# KiCad board kikit_panel.kicad_pcb (continued)
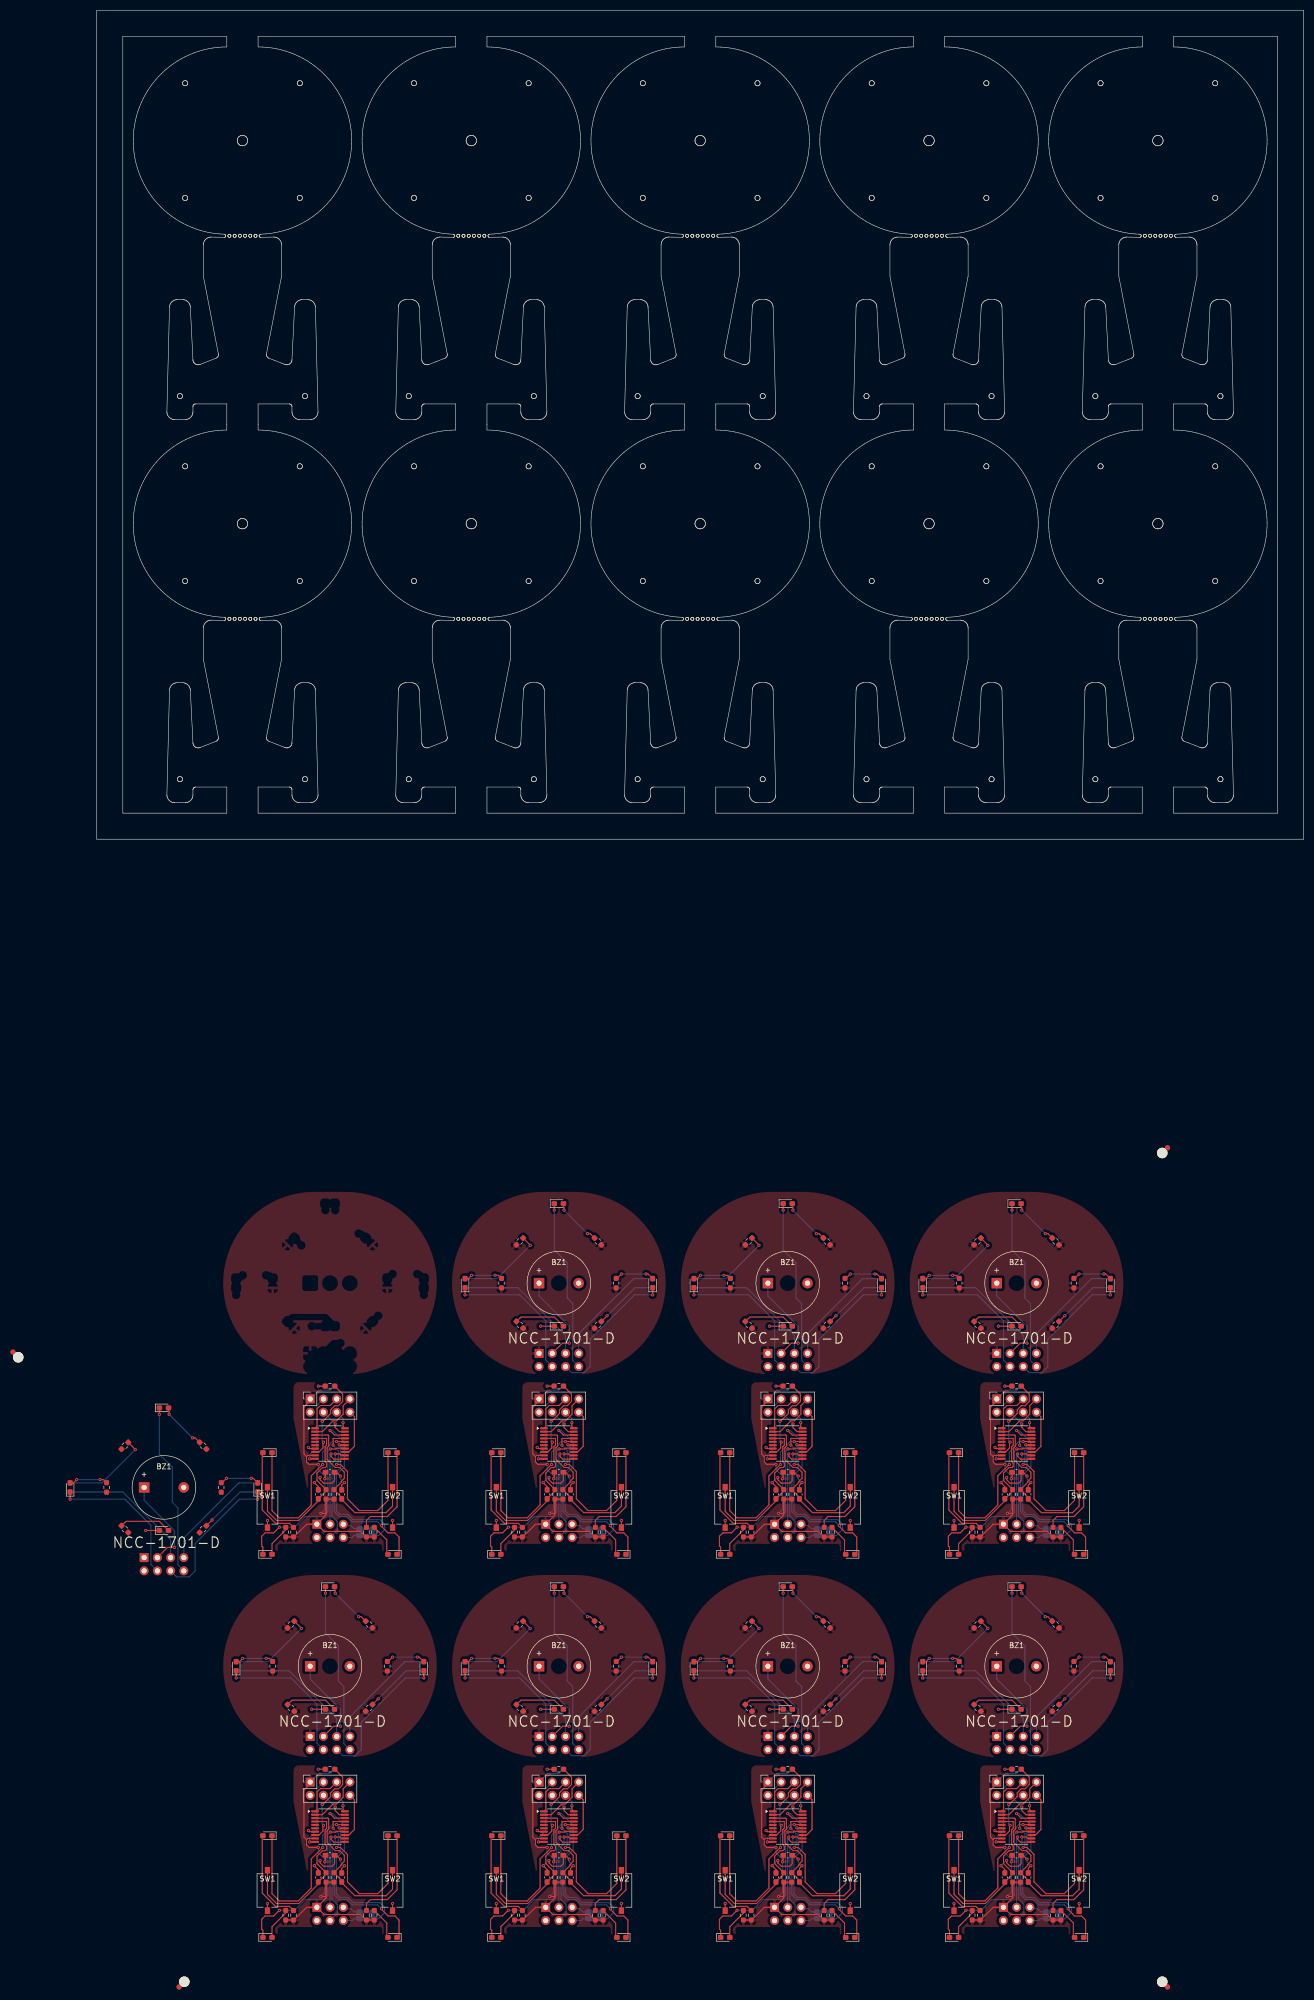
[diagram p0: board, top side]
## Routing (per net, layer and track width the routed paths; a pad name or vN(x,y) marks a point on that pad's centre or on a via; arc(x,y) is an arc through that point) (continued)
  Top w0.2: D7#2.2 57.63,-201.46 55.75,-203.34 52.5,-203.34 51.75,-204.09 R7#3.2
Board_4-Net-(D8-A): length 7.6
  Top w0.2: D8#6.2 27.38,-157.71 v1(28,-157.09) ; v1(32.5,-157.09) 33.17,-157.09 R10.2 33.72,-157.71
  Bottom w0.2: v1(28,-157.09) v1(32.5,-157.09)
Board_4-Net-(D9-A): length 7.8
  Top w0.2: v1(61.5,-156.84) 61.88,-156.84 D9#8.2 ; v1(56.75,-156.84) 55.92,-157.68 R11#4.2 55.79,-157.71
  Bottom w0.2: v1(56.75,-156.84) v1(61.5,-156.84)
Board_4-Net-(D10-A): length 17.1
  Top w0.2: v1(39.25,-151.34) 39.25,-151.3 R12#4.2
  Bottom w0.2: D10#8.2 32.88,-157.71 v1(39.25,-151.34)
Board_4-Net-(D11-A): length 12.5
  Top w0.2: R13#4.2 v1(54,-164.84)
  Bottom w0.2: v1(54,-164.84) 59.38,-159.46 D11#7.2
Board_4-Net-(JP1-B): length 37.2
  Top w0.2: v1(44.75,-186.84) 45.63,-187.71 U1#7.18 ; U1#7.18 46.88,-187.71 ; U1#7.18 48.35,-187.71
  Bottom w0.2: v1(44.75,-186.84) 45.25,-186.84 47.5,-189.09 47.5,-193.82 45.95,-195.37 45.95,-202.22 46.67,-202.94 48.17,-202.94 49.17,-203.94 54.35,-203.94 55.25,-204.84 55.25,-205.84 54.1,-206.99 JP1#8.2 53.95,-206.99
Board_4-Net-(U1-PD0): length 16.6
  Top w0.2: v1(43.5,-189.09) 43.4,-189.19 43.4,-190.19 42.63,-190.96 U1#7.8 ; R2.2 47.18,-179.86 47.18,-181.27 46.37,-182.09 45.66,-182.09 44.88,-182.86 44.88,-183.57 43.37,-185.09 v1(43.25,-185.09)
  Bottom w0.2: v1(43.25,-185.09) 43.25,-188.84 v1(43.5,-189.09)
Board_4-VCC: length 64.3
  Top w0.2: v1(43.75,-196.09) 43.75,-195.84 43.89,-195.7 C3#7.1 ; U1#7.9 40.48,-191.61 40.25,-191.84 ; 41.04,-180.8 40.5,-181.34 40.5,-181.59 39.75,-182.34 39.75,-191.34 40.25,-191.84 ; R9.1 44,-202.74 v1(43,-202.74) ; R9.1 45.75,-200 ; R9.1 44,-203.04 J5#4.1 ; J5#4.1 43.62,-206.2 50.62,-206.2 51.67,-207.25 R7#3.1 R3#2.1 ; J5#4.1 40.28,-204.81 37.84,-207.25 R6#2.1 R4#3.1 ; 40.25,-191.84 40.25,-192.84 40.75,-193.34 v1(42.5,-193.34)
  Bottom w0.2: v1(43,-202.74) 43.75,-201.99 v1(43.75,-196.09) 43.75,-195.59 42.5,-194.34 v1(42.5,-193.34) ; J4#7.1 42.64,-179.11 44.73,-179.11 45.5,-178.34 D2#7.2
Board_5-/blue gondeln left: length 33.4
  Top w0.2: D4#3.1 75.79,-209.21 75.56,-208.99 75.56,-207.12 76.21,-206.47 77.86,-206.47 v1(78.96,-205.38) ; v1(88.72,-190.39) 89.77,-190.39 89.92,-190.24 91.45,-190.24 U1#3.14
  Bottom w0.2: v1(88.72,-190.39) 88.27,-190.84 88.27,-202.49 87.42,-203.34 83.92,-203.34 81.87,-205.38 v1(78.96,-205.38)
Board_5-/blue gondeln right: length 32.6
  Top w0.2: v1(90.43,-189.58) 90.51,-189.66 U1#3.15 ; D3.1 101.92,-210.21 101.92,-207.27 101.12,-206.47 99.8,-206.47 98.57,-205.24 v1(98.57,-205.09)
  Bottom w0.2: v1(90.43,-189.58) 90.67,-189.82 90.67,-194 89.47,-195.2 89.47,-202.39 90.42,-203.34 91.92,-203.34 92.92,-204.34 97.82,-204.34 v1(98.57,-205.09)
Board_5-/blue_front: length 42.5
  Top w0.2: U1#3.13 92.27,-190.96 93.34,-189.89 93.34,-184.19 J4#8.8 ; D5#5.1 87.79,-144.71
  Bottom w0.2: v1(87.79,-144.59) 87.79,-152.21 90.27,-154.69 90.27,-161.44 91.34,-162.51 91.34,-173.44 J1#3.8
Board_5-/buzzer: length 31.6
  Top w0.2: v1(84.77,-192.27) 85.8,-192.27 U1#3.10 ; J1#3.3 89.37,-170.09 v1(90.67,-170.09)
  Bottom w0.2: J4#8.3 86.17,-182.04 86.17,-190.09 84.77,-191.49 v1(84.77,-192.27) ; BZ1.1 84.87,-161.04 90.67,-166.84 v1(90.67,-170.09)
Board_5-/GPIO1: length 5.3
  Bottom w0.2: JP1#6.1 J3#3.2 ; J5#8.5 91.5,-205.09 92.67,-205.09 93.27,-205.69 93.67,-205.69
Board_5-/GPIO2: length 3.1
  Top w0.2: 91.59,-206.99 J5#8.6
  Bottom w0.2: 93.67,-206.99 93.27,-206.99 92.9,-207.35 J5#8.6
Board_5-/LED dish bottom l: length 34.9
  Top w0.2: J4#8.5 88.7,-182.05 86.82,-182.05 86.17,-182.7 86.17,-186.05 U1#3.1
  Bottom w0.2: D10#4.1 80.79,-159.46 89.95,-168.62 J1#3.5
Board_5-/LED dish bottom r: length 32.6
  Top w0.2: J4#8.7 91.2,-182.09 91.2,-183.71 89.92,-184.99 89.27,-184.99 87.19,-187.06 U1#3.2
  Bottom w0.2: J1#3.7 92.49,-168.27 103.04,-157.71 D11#4.1
Board_5-/LED dish top left: length 34.3
  Top w0.2: D8#8.1 v1(70.67,-160.84) ; U1#3.19 90.47,-187.06 89.67,-186.26 v1(89.67,-185.59)
  Bottom w0.2: v1(89.67,-185.59) 87.42,-183.34 J4#8.4 ; J1#3.4 86.16,-173.34 86.16,-165.83 81.17,-160.84 v1(70.67,-160.84)
Board_5-/LED dish top right: length 32.1
  Top w0.2: v1(91.17,-185.34) 91.17,-186.05 U1#3.20 ; D9#4.1 v1(106.67,-160.84) ; 90.18,-183.85 90.18,-183.34
  Bottom w0.2: v1(91.17,-185.34) 91.17,-184.56 J4#8.6 ; J1#3.6 91.1,-175.74 93.52,-175.74 94.67,-174.59 94.67,-169.34 103.17,-160.84 v1(106.67,-160.84)
Board_5-/red_gondeln_left: length 36.5
  Top w0.2: v1(87.27,-193.35) 87.25,-193.35 85.07,-195.54 85.07,-201.12 82.6,-203.59 78.92,-203.59 77.54,-202.21 D6#6.1 ; U1#3.16 91.48,-188.96 v1(89.92,-188.96)
  Bottom w0.2: v1(89.92,-188.96) 89.11,-188.96 88.66,-189.41 88.66,-189.59 87.27,-190.99 v1(87.27,-193.35)
Board_5-/red_gondeln_right: length 35.9
  Top w0.2: v1(89.92,-193.34) 90.67,-193.34 92.02,-194.69 92.02,-199.94 94.28,-202.2 97.83,-202.2 99.79,-200.23 D7#8.1 ; v1(89.26,-189.66) 89.26,-188.36 U1#3.17 ; U1#3.17 92.27,-188.36 ; U1#3.17 90.79,-188.36
  Bottom w0.2: v1(89.26,-189.66) 90.27,-190.66 90.27,-192.99 v1(89.92,-193.34)
Board_5-/SCL: length 19.2
  Top w0.2: U1#3.12 90.79,-191.61 90.52,-191.34 v1(89.67,-191.34)
  Bottom w0.2: v1(89.67,-191.34) 89.67,-192.6 89.07,-193.2 89.07,-203.33 90.07,-204.34 90.07,-205.96 J5#8.4
Board_5-/SDA: length 17.6
  Top w0.2: v1(88.87,-191.34) 88.87,-191.79 89.41,-192.34 91.45,-192.34 U1#3.11
  Bottom w0.2: v1(88.87,-191.34) 88.67,-191.54 88.67,-204.8 J5#8.3 88.18,-204.32
Board_5-/sw1: length 33.5
  Top w0.2: SW1#3.1 76.67,-202.34 78.42,-204.09 82.67,-204.09 86.42,-200.34 C1#6.1 87.92,-198.45 R9#3.2 86.17,-196.43 86.17,-195 87.22,-193.95 87.8,-193.95 88.02,-193.74 88.02,-193.09 87.72,-192.79 87.72,-189.97 88.02,-189.67 88.02,-188.36 U1#3.4
Board_5-/sw2: length 33.3
  Top w0.2: U1#3.3 88.29,-187.71 88.42,-187.84 88.42,-189.84 88.12,-190.14 88.12,-192.39 89.67,-193.94 90.52,-193.94 91.42,-194.84 91.42,-195.99 90.82,-196.59 90.82,-196.78 R8#4.2 90.92,-199.68 C2#7.1 90.92,-200.09 93.43,-202.6 99.41,-202.6 100.67,-201.34 SW2#6.1
Board_5-GND: length 20.4
  Top w0.2: v1(86.77,-195.84) 86.77,-196.29 87.42,-196.94 89.07,-196.94 89.53,-196.48 C3#8.2 ; v1(76.67,-204.09) SW1#3.2 ; v1(91.42,-196.84) 90.92,-197.34 C2#7.2 ; v1(85.67,-196.84) 86.42,-197.59 C1#6.2 ; v1(100.67,-204.09) SW2#6.2 ; 89.92,-195.23 C3#8.2 ; C3#8.2 89.92,-194.84 v1(90.67,-195.59) ; v1(84.52,-190.09) 84.74,-190.31 U1#3.7 ; D1#4.1 v1(85.17,-166.84)
  Bottom w0.2: v1(91.42,-196.84) 90.67,-196.09 v1(90.67,-195.59) ; v1(86.77,-195.84) 86.67,-195.84 v1(85.67,-196.84)
Board_5-Net-(D1-A): length 10.1
  Top w0.2: D1#4.2 87.79,-165.09 81.42,-165.09 81.17,-165.34 81.13,-165.34 R1#4.2
Board_5-Net-(D2-K): length 2.7
  Top w0.2: R2#6.1 v1(86.42,-178.34)
  Bottom w0.2: v1(86.42,-178.34) D2#6.1
Board_5-Net-(D3-A): length 6.2
  Top w0.2: D3.2 99.56,-210.36 99.56,-207.82 R3#4.2
Board_5-Net-(D4-A): length 6.2
  Top w0.2: D4#3.2 77.54,-208.54 80.17,-205.91 R4.2
Board_5-Net-(D5-A): length 9.4
  Top w0.2: v1(94.17,-149.09) 94.67,-149.09 R5#3.2 ; D5#5.2 89.54,-143.96 89.67,-144.09 v1(89.67,-144.59)
  Bottom w0.2: v1(89.67,-144.59) v1(94.17,-149.09)
Board_5-Net-(D6-A): length 18.4
  Top w0.2: 75.87,-191.16 75.67,-191.36 75.67,-202.09 78.22,-204.64 80.88,-204.64 R6#7.2
Board_5-Net-(D7-A): length 18.7
  Top w0.2: D7#8.2 101.54,-201.46 99.67,-203.34 96.42,-203.34 95.67,-204.09 R7#6.2
Board_5-Net-(D8-A): length 7.6
  Top w0.2: D8#8.2 71.29,-157.71 v1(71.92,-157.09) ; 77.63,-157.71 R10#7.2 77.08,-157.09 v1(76.42,-157.09)
  Bottom w0.2: v1(71.92,-157.09) v1(76.42,-157.09)
Board_5-Net-(D9-A): length 7.8
  Top w0.2: D9#4.2 105.79,-156.84 v1(105.42,-156.84) ; v1(100.67,-156.84) 99.83,-157.68 R11.2 99.7,-157.71
  Bottom w0.2: v1(100.67,-156.84) v1(105.42,-156.84)
Board_5-Net-(D10-A): length 17.1
  Top w0.2: R12#3.2 83.17,-151.3 v1(83.17,-151.34)
  Bottom w0.2: v1(83.17,-151.34) 76.79,-157.71 D10#4.2
Board_5-Net-(D11-A): length 12.5
  Top w0.2: R13#8.2 v1(97.92,-164.84)
  Bottom w0.2: D11#4.2 103.29,-159.46 v1(97.92,-164.84)
Board_5-Net-(JP1-B): length 37.2
  Top w0.2: U1#3.18 92.27,-187.71 ; U1#3.18 90.79,-187.71 ; U1#3.18 89.54,-187.71 v1(88.67,-186.84)
  Bottom w0.2: 97.87,-206.99 JP1#6.2 98.02,-206.99 99.17,-205.84 99.17,-204.84 98.27,-203.94 93.08,-203.94 92.08,-202.94 90.58,-202.94 89.87,-202.22 89.87,-195.37 91.42,-193.82 91.42,-189.09 89.17,-186.84 v1(88.67,-186.84)
Board_5-Net-(U1-PD0): length 16.6
  Top w0.2: v1(87.42,-189.09) 87.32,-189.19 87.32,-190.19 86.54,-190.96 U1#3.8 ; R2#6.2 91.1,-179.86 91.1,-181.27 90.28,-182.09 89.57,-182.09 88.8,-182.86 88.8,-183.57 87.28,-185.09 v1(87.17,-185.09)
  Bottom w0.2: v1(87.17,-185.09) 87.17,-188.84 v1(87.42,-189.09)
Board_5-VCC: length 64.3
  Top w0.2: v1(87.67,-196.09) 87.67,-195.84 87.8,-195.7 C3#8.1 ; v1(86.42,-193.34) 84.67,-193.34 84.17,-192.84 84.17,-191.84 ; v1(86.92,-202.74) 87.92,-202.74 R9#3.1 ; 84.17,-191.84 84.39,-191.61 U1#3.9 ; 84.17,-191.84 83.67,-191.34 83.67,-182.34 84.42,-181.59 84.42,-181.34 84.96,-180.8 ; J5#8.1 87.53,-206.2 94.53,-206.2 95.58,-207.25 R7#6.1 R3#4.1 ; J5#8.1 87.92,-203.04 R9#3.1 ; J5#8.1 84.19,-204.81 81.75,-207.25 R6#7.1 R4.1 ; R9#3.1 89.67,-200
  Bottom w0.2: v1(86.92,-202.74) 87.67,-201.99 v1(87.67,-196.09) 87.67,-195.59 86.42,-194.34 v1(86.42,-193.34) ; J4#8.1 86.55,-179.11 88.64,-179.11 89.42,-178.34 D2#6.2
Board_6-/blue gondeln left: length 33.4
  Top w0.2: U1#6.14 135.37,-190.24 133.83,-190.24 133.68,-190.39 v1(132.63,-190.39) ; D4.1 119.71,-209.21 119.48,-208.99 119.48,-207.12 120.12,-206.47 121.78,-206.47 v1(122.87,-205.38)
  Bottom w0.2: v1(132.63,-190.39) 132.18,-190.84 132.18,-202.49 131.33,-203.34 127.83,-203.34 125.79,-205.38 v1(122.87,-205.38)
Board_6-/blue gondeln right: length 32.6
  Top w0.2: D3#4.1 145.83,-210.21 145.83,-207.27 145.04,-206.47 143.72,-206.47 142.48,-205.24 v1(142.48,-205.09) ; v1(134.34,-189.58) 134.43,-189.66 U1#6.15
  Bottom w0.2: v1(134.34,-189.58) 134.58,-189.82 134.58,-194 133.38,-195.2 133.38,-202.39 134.33,-203.34 135.83,-203.34 136.83,-204.34 141.73,-204.34 v1(142.48,-205.09)
Board_6-/blue_front: length 42.5
  Top w0.2: D5#7.1 131.71,-144.71 ; J4#3.8 137.25,-184.19 137.25,-189.89 136.18,-190.96 U1#6.13
  Bottom w0.2: J1#6.8 135.25,-173.44 135.25,-162.51 134.18,-161.44 134.18,-154.69 131.71,-152.21 v1(131.71,-144.59)
Board_6-/buzzer: length 31.6
  Top w0.2: v1(128.68,-192.27) 129.71,-192.27 U1#6.10 ; J1#6.3 133.28,-170.09 v1(134.58,-170.09)
  Bottom w0.2: J4#3.3 130.08,-182.04 130.08,-190.09 128.68,-191.49 v1(128.68,-192.27) ; v1(134.58,-170.09) 134.58,-166.84 128.78,-161.04 BZ1#2.1
Board_6-/GPIO1: length 5.3
  Bottom w0.2: J5.5 135.41,-205.09 136.58,-205.09 137.18,-205.69 137.58,-205.69 ; JP1#2.1 J3.2
Board_6-/GPIO2: length 3.1
  Top w0.2: 135.5,-206.99 J5.6
  Bottom w0.2: J5.6 136.82,-207.35 137.18,-206.99 137.58,-206.99
Board_6-/LED dish bottom l: length 34.9
  Top w0.2: J4#3.5 132.61,-182.05 130.73,-182.05 130.08,-182.7 130.08,-186.05 U1#6.1
  Bottom w0.2: J1#6.5 133.86,-168.62 124.71,-159.46 D10#6.1
Board_6-/LED dish bottom r: length 32.6
  Top w0.2: U1#6.2 131.11,-187.06 133.18,-184.99 133.84,-184.99 135.11,-183.71 135.11,-182.09 J4#3.7
  Bottom w0.2: D11#8.1 146.96,-157.71 136.4,-168.27 J1#6.7
Board_6-/LED dish top left: length 34.3
  Top w0.2: U1#6.19 134.38,-187.06 133.58,-186.26 v1(133.58,-185.59) ; D8#3.1 v1(114.58,-160.84)
  Bottom w0.2: J4#3.4 131.33,-183.34 v1(133.58,-185.59) ; J1#6.4 130.07,-173.34 130.07,-165.83 125.08,-160.84 v1(114.58,-160.84)
Board_6-/LED dish top right: length 32.1
  Top w0.2: 134.09,-183.85 134.09,-183.34 ; D9#2.1 v1(150.58,-160.84) ; U1#6.20 135.08,-186.05 v1(135.08,-185.34)
  Bottom w0.2: v1(150.58,-160.84) 147.08,-160.84 138.58,-169.34 138.58,-174.59 137.43,-175.74 135.01,-175.74 J1#6.6 ; v1(135.08,-185.34) 135.08,-184.56 J4#3.6
Board_6-/red_gondeln_left: length 36.5
  Top w0.2: D6#4.1 121.46,-202.21 122.83,-203.59 126.51,-203.59 128.98,-201.12 128.98,-195.54 131.16,-193.35 v1(131.18,-193.35) ; v1(133.83,-188.96) 135.39,-188.96 U1#6.16
  Bottom w0.2: v1(131.18,-193.35) 131.18,-190.99 132.58,-189.59 132.58,-189.41 133.02,-188.96 v1(133.83,-188.96)
Board_6-/red_gondeln_right: length 35.9
  Top w0.2: v1(133.83,-193.34) 134.58,-193.34 135.93,-194.69 135.93,-199.94 138.19,-202.2 141.74,-202.2 143.71,-200.23 D7#7.1 ; 134.71,-188.36 U1#6.17 ; U1#6.17 136.18,-188.36 ; U1#6.17 133.18,-188.36 v1(133.18,-189.66)
  Bottom w0.2: v1(133.83,-193.34) 134.18,-192.99 134.18,-190.66 v1(133.18,-189.66)
Board_6-/SCL: length 19.2
  Top w0.2: v1(133.58,-191.34) 134.43,-191.34 134.71,-191.61 U1#6.12
  Bottom w0.2: v1(133.58,-191.34) 133.58,-192.6 132.98,-193.2 132.98,-203.33 133.99,-204.34 133.99,-205.96 J5.4
Board_6-/SDA: length 17.6
  Top w0.2: U1#6.11 135.37,-192.34 133.32,-192.34 132.78,-191.79 v1(132.78,-191.34)
  Bottom w0.2: 132.1,-204.32 J5.3 132.58,-204.8 132.58,-191.54 v1(132.78,-191.34)
Board_6-/sw1: length 33.5
  Top w0.2: SW1#4.1 120.58,-202.34 122.33,-204.09 126.58,-204.09 130.33,-200.34 C1#5.1 131.83,-198.45 R9#2.2 130.08,-196.43 130.08,-195 131.13,-193.95 131.72,-193.95 131.93,-193.74 131.93,-193.09 131.63,-192.79 131.63,-189.97 131.93,-189.67 131.93,-188.36 U1#6.4
Board_6-/sw2: length 33.3
  Top w0.2: U1#6.3 132.21,-187.71 132.33,-187.84 132.33,-189.84 132.03,-190.14 132.03,-192.39 133.58,-193.94 134.43,-193.94 135.33,-194.84 135.33,-195.99 134.73,-196.59 134.73,-196.78 R8#3.2 134.83,-199.68 C2#6.1 134.83,-200.09 137.34,-202.6 143.32,-202.6 144.58,-201.34 SW2#2.1
Board_6-GND: length 20.4
  Top w0.2: v1(130.68,-195.84) 130.68,-196.29 131.33,-196.94 132.98,-196.94 133.44,-196.48 C3#4.2 ; C1#5.2 130.33,-197.59 v1(129.58,-196.84) ; v1(120.58,-204.09) SW1#4.2 ; 133.83,-195.23 C3#4.2 ; C3#4.2 133.83,-194.84 v1(134.58,-195.59) ; C2#6.2 134.83,-197.34 v1(135.33,-196.84) ; v1(144.58,-204.09) SW2#2.2 ; v1(128.43,-190.09) 128.66,-190.31 U1#6.7 ; D1#6.1 v1(129.08,-166.84)
  Bottom w0.2: v1(134.58,-195.59) 134.58,-196.09 v1(135.33,-196.84) ; v1(129.58,-196.84) 130.58,-195.84 v1(130.68,-195.84)
Board_6-Net-(D1-A): length 10.1
  Top w0.2: R1#3.2 125.04,-165.34 125.08,-165.34 125.33,-165.09 131.71,-165.09 D1#6.2
Board_6-Net-(D2-K): length 2.7
  Top w0.2: R2#2.1 v1(130.33,-178.34)
  Bottom w0.2: v1(130.33,-178.34) D2.1
Board_6-Net-(D3-A): length 6.2
  Top w0.2: R3#6.2 143.48,-207.82 143.48,-210.36 D3#4.2
Board_6-Net-(D4-A): length 6.2
  Top w0.2: R4#8.2 124.08,-205.91 121.46,-208.54 D4.2
Board_6-Net-(D5-A): length 9.4
  Top w0.2: D5#7.2 133.46,-143.96 133.58,-144.09 v1(133.58,-144.59) ; v1(138.08,-149.09) 138.58,-149.09 R5#2.2
  Bottom w0.2: v1(133.58,-144.59) v1(138.08,-149.09)
Board_6-Net-(D6-A): length 18.4
  Top w0.2: 119.78,-191.16 119.58,-191.36 119.58,-202.09 122.13,-204.64 124.79,-204.64 R6#3.2
Board_6-Net-(D7-A): length 18.7
  Top w0.2: R7#8.2 139.58,-204.09 140.33,-203.34 143.58,-203.34 145.46,-201.46 D7#7.2
Board_6-Net-(D8-A): length 7.6
  Top w0.2: D8#3.2 115.21,-157.71 v1(115.83,-157.09) ; 121.54,-157.71 R10#8.2 120.99,-157.09 v1(120.33,-157.09)
  Bottom w0.2: v1(115.83,-157.09) v1(120.33,-157.09)
Board_6-Net-(D9-A): length 7.8
  Top w0.2: v1(144.58,-156.84) 143.74,-157.68 R11#7.2 143.62,-157.71 ; D9#2.2 149.71,-156.84 v1(149.33,-156.84)
  Bottom w0.2: v1(144.58,-156.84) v1(149.33,-156.84)
Board_6-Net-(D10-A): length 17.1
  Top w0.2: R12#8.2 127.08,-151.3 v1(127.08,-151.34)
  Bottom w0.2: D10#6.2 120.71,-157.71 v1(127.08,-151.34)
Board_6-Net-(D11-A): length 12.5
  Top w0.2: R13#6.2 v1(141.83,-164.84)
  Bottom w0.2: v1(141.83,-164.84) 147.21,-159.46 D11#8.2
Board_6-Net-(JP1-B): length 37.2
  Top w0.2: v1(132.58,-186.84) 133.46,-187.71 U1#6.18 ; U1#6.18 136.18,-187.71 ; U1#6.18 134.71,-187.71
  Bottom w0.2: v1(132.58,-186.84) 133.08,-186.84 135.33,-189.09 135.33,-193.82 133.78,-195.37 133.78,-202.22 134.5,-202.94 136,-202.94 137,-203.94 142.18,-203.94 143.08,-204.84 143.08,-205.84 141.93,-206.99 JP1#2.2 141.78,-206.99
Board_6-Net-(U1-PD0): length 16.6
  Top w0.2: U1#6.8 130.46,-190.96 131.23,-190.19 131.23,-189.19 v1(131.33,-189.09) ; v1(131.08,-185.09) 131.2,-185.09 132.71,-183.57 132.71,-182.86 133.48,-182.09 134.2,-182.09 135.01,-181.27 135.01,-179.86 R2#2.2
  Bottom w0.2: v1(131.08,-185.09) 131.08,-188.84 v1(131.33,-189.09)
Board_6-VCC: length 64.3
  Top w0.2: v1(130.33,-193.34) 128.58,-193.34 128.08,-192.84 128.08,-191.84 ; v1(130.83,-202.74) 131.83,-202.74 R9#2.1 ; J5.1 131.45,-206.2 138.45,-206.2 139.49,-207.25 R7#8.1 R3#6.1 ; J5.1 128.11,-204.81 125.67,-207.25 R6#3.1 R4#8.1 ; J5.1 131.83,-203.04 R9#2.1 ; 128.08,-191.84 127.58,-191.34 127.58,-182.34 128.33,-181.59 128.33,-181.34 128.87,-180.8 ; 128.08,-191.84 128.31,-191.61 U1#6.9 ; R9#2.1 133.58,-200 ; v1(131.58,-196.09) 131.58,-195.84 131.72,-195.7 C3#4.1
  Bottom w0.2: J4#3.1 130.47,-179.11 132.56,-179.11 133.33,-178.34 D2.2 ; v1(130.83,-202.74) 131.58,-201.99 v1(131.58,-196.09) 131.58,-195.59 130.33,-194.34 v1(130.33,-193.34)
Board_7-/blue gondeln left: length 33.4
  Top w0.2: v1(166.79,-205.38) 165.69,-206.47 164.04,-206.47 163.39,-207.12 163.39,-208.99 163.62,-209.21 D4#8.1 ; v1(176.54,-190.39) 177.6,-190.39 177.75,-190.24 179.28,-190.24 U1.14
  Bottom w0.2: v1(166.79,-205.38) 169.7,-205.38 171.74,-203.34 175.24,-203.34 176.09,-202.49 176.09,-190.84 v1(176.54,-190.39)
Board_7-/blue gondeln right: length 32.6
  Top w0.2: D3#6.1 189.74,-210.21 189.74,-207.27 188.95,-206.47 187.63,-206.47 186.39,-205.24 v1(186.39,-205.09) ; U1.15 178.34,-189.66 v1(178.26,-189.58)
  Bottom w0.2: v1(178.26,-189.58) 178.49,-189.82 178.49,-194 177.29,-195.2 177.29,-202.39 178.24,-203.34 179.74,-203.34 180.74,-204.34 185.64,-204.34 v1(186.39,-205.09)
Board_7-/blue_front: length 42.5
  Top w0.2: J4#4.8 181.16,-184.19 181.16,-189.89 180.09,-190.96 U1.13 ; D5#8.1 175.62,-144.71
  Bottom w0.2: J1#4.8 179.16,-173.44 179.16,-162.51 178.1,-161.44 178.1,-154.69 175.62,-152.21 v1(175.62,-144.59)
Board_7-/buzzer: length 31.6
  Top w0.2: v1(178.49,-170.09) 177.19,-170.09 J1#4.3 ; U1.10 173.62,-192.27 v1(172.59,-192.27)
  Bottom w0.2: v1(172.59,-192.27) 172.59,-191.49 173.99,-190.09 173.99,-182.04 J4#4.3 ; BZ1#4.1 172.69,-161.04 178.49,-166.84 v1(178.49,-170.09)
Board_7-/GPIO1: length 5.3
  Bottom w0.2: JP1#5.1 J3#4.2 ; 181.49,-205.69 181.09,-205.69 180.49,-205.09 179.32,-205.09 J5#5.5
Board_7-/GPIO2: length 3.1
  Top w0.2: 179.41,-206.99 J5#5.6
  Bottom w0.2: J5#5.6 180.73,-207.35 181.09,-206.99 181.49,-206.99
Board_7-/LED dish bottom l: length 34.9
  Top w0.2: U1.1 173.99,-186.05 173.99,-182.7 174.65,-182.05 176.52,-182.05 J4#4.5
  Bottom w0.2: J1#4.5 177.77,-168.62 168.62,-159.46 D10#7.1
Board_7-/LED dish bottom r: length 32.6
  Top w0.2: J4#4.7 179.02,-182.09 179.02,-183.71 177.75,-184.99 177.09,-184.99 175.02,-187.06 U1.2
  Bottom w0.2: D11#2.1 190.87,-157.71 180.31,-168.27 J1#4.7
Board_7-/LED dish top left: length 34.3
  Top w0.2: v1(177.49,-185.59) 177.49,-186.26 178.29,-187.06 U1.19 ; D8.1 v1(158.49,-160.84)
  Bottom w0.2: J4#4.4 175.24,-183.34 v1(177.49,-185.59) ; J1#4.4 173.98,-173.34 173.98,-165.83 168.99,-160.84 v1(158.49,-160.84)
Board_7-/LED dish top right: length 32.1
  Top w0.2: 178,-183.85 178,-183.34 ; v1(178.99,-185.34) 178.99,-186.05 U1.20 ; D9#5.1 v1(194.49,-160.84)
  Bottom w0.2: v1(194.49,-160.84) 190.99,-160.84 182.49,-169.34 182.49,-174.59 181.34,-175.74 178.92,-175.74 J1#4.6 ; v1(178.99,-185.34) 178.99,-184.56 J4#4.6
Board_7-/red_gondeln_left: length 36.5
  Top w0.2: v1(177.74,-188.96) 179.31,-188.96 U1.16 ; D6.1 165.37,-202.21 166.74,-203.59 170.43,-203.59 172.89,-201.12 172.89,-195.54 175.08,-193.35 v1(175.09,-193.35)
  Bottom w0.2: v1(177.74,-188.96) 176.94,-188.96 176.49,-189.41 176.49,-189.59 175.09,-190.99 v1(175.09,-193.35)
Board_7-/red_gondeln_right: length 35.9
  Top w0.2: D7#3.1 187.62,-200.23 185.66,-202.2 182.1,-202.2 179.84,-199.94 179.84,-194.69 178.49,-193.34 v1(177.74,-193.34) ; v1(177.09,-189.66) 177.09,-188.36 U1.17 ; 178.62,-188.36 U1.17 ; U1.17 180.09,-188.36
  Bottom w0.2: v1(177.74,-193.34) 178.09,-192.99 178.09,-190.66 v1(177.09,-189.66)
Board_7-/SCL: length 19.2
  Top w0.2: v1(177.49,-191.34) 178.34,-191.34 178.62,-191.61 U1.12
  Bottom w0.2: v1(177.49,-191.34) 177.49,-192.6 176.89,-193.2 176.89,-203.33 177.9,-204.34 177.9,-205.96 J5#5.4
Board_7-/SDA: length 17.6
  Top w0.2: v1(176.69,-191.34) 176.69,-191.79 177.24,-192.34 179.28,-192.34 U1.11
  Bottom w0.2: 176.01,-204.32 J5#5.3 176.49,-204.8 176.49,-191.54 v1(176.69,-191.34)
Board_7-/sw1: length 33.5
  Top w0.2: U1.4 175.84,-188.36 175.84,-189.67 175.54,-189.97 175.54,-192.79 175.84,-193.09 175.84,-193.74 175.63,-193.95 175.04,-193.95 173.99,-195 173.99,-196.43 R9#5.2 175.74,-198.45 C1#8.1 174.24,-200.34 170.49,-204.09 166.24,-204.09 164.49,-202.34 SW1#8.1
Board_7-/sw2: length 33.3
  Top w0.2: SW2#4.1 188.49,-201.34 187.24,-202.6 181.25,-202.6 178.74,-200.09 C2#8.1 178.74,-199.68 R8#7.2 178.64,-196.78 178.64,-196.59 179.24,-195.99 179.24,-194.84 178.34,-193.94 177.5,-193.94 175.94,-192.39 175.94,-190.14 176.24,-189.84 176.24,-187.84 176.12,-187.71 U1.3
Board_7-GND: length 20.4
  Top w0.2: v1(179.24,-196.84) 178.74,-197.34 C2#8.2 ; C3.2 177.74,-194.84 v1(178.49,-195.59) ; C3.2 177.74,-195.23 ; C3.2 177.36,-196.48 176.89,-196.94 175.24,-196.94 174.59,-196.29 v1(174.59,-195.84) ; v1(188.49,-204.09) SW2#4.2 ; U1.7 172.57,-190.31 v1(172.34,-190.09) ; v1(173.49,-196.84) 174.24,-197.59 C1#8.2 ; v1(164.49,-204.09) SW1#8.2 ; D1#2.1 v1(172.99,-166.84)
  Bottom w0.2: v1(178.49,-195.59) 178.49,-196.09 v1(179.24,-196.84) ; v1(174.59,-195.84) 174.49,-195.84 v1(173.49,-196.84)
Board_7-Net-(D1-A): length 10.1
  Top w0.2: R1#2.2 168.95,-165.34 168.99,-165.34 169.24,-165.09 175.62,-165.09 D1#2.2
Board_7-Net-(D2-K): length 2.7
  Top w0.2: R2#7.1 v1(174.24,-178.34)
  Bottom w0.2: v1(174.24,-178.34) D2#5.1
Board_7-Net-(D3-A): length 6.2
  Top w0.2: D3#6.2 187.39,-210.36 187.39,-207.82 R3#8.2
Board_7-Net-(D4-A): length 6.2
  Top w0.2: R4#4.2 167.99,-205.91 165.37,-208.54 D4#8.2
Board_7-Net-(D5-A): length 9.4
  Top w0.2: v1(177.49,-144.59) 177.49,-144.09 177.37,-143.96 D5#8.2 ; v1(181.99,-149.09) 182.49,-149.09 R5#8.2
  Bottom w0.2: v1(177.49,-144.59) v1(181.99,-149.09)
Board_7-Net-(D6-A): length 18.4
  Top w0.2: R6#4.2 168.71,-204.64 166.04,-204.64 163.49,-202.09 163.49,-191.36 163.69,-191.16
Board_7-Net-(D7-A): length 18.7
  Top w0.2: R7.2 183.49,-204.09 184.24,-203.34 187.49,-203.34 189.37,-201.46 D7#3.2
Board_7-Net-(D8-A): length 7.6
  Top w0.2: D8.2 159.12,-157.71 v1(159.74,-157.09) ; 165.46,-157.71 R10#5.2 164.91,-157.09 v1(164.24,-157.09)
  Bottom w0.2: v1(159.74,-157.09) v1(164.24,-157.09)
Board_7-Net-(D9-A): length 7.8
  Top w0.2: v1(193.24,-156.84) 193.62,-156.84 D9#5.2 ; 187.53,-157.71 R11#6.2 187.66,-157.68 v1(188.49,-156.84)
  Bottom w0.2: v1(188.49,-156.84) v1(193.24,-156.84)
Board_7-Net-(D10-A): length 17.1
  Top w0.2: R12#2.2 170.99,-151.3 v1(170.99,-151.34)
  Bottom w0.2: D10#7.2 164.62,-157.71 v1(170.99,-151.34)
Board_7-Net-(D11-A): length 12.5
  Top w0.2: R13#2.2 v1(185.74,-164.84)
  Bottom w0.2: v1(185.74,-164.84) 191.12,-159.46 D11#2.2
Board_7-Net-(JP1-B): length 37.2
  Top w0.2: 178.62,-187.71 U1.18 ; U1.18 180.09,-187.71 ; U1.18 177.37,-187.71 v1(176.49,-186.84)
  Bottom w0.2: v1(176.49,-186.84) 176.99,-186.84 179.24,-189.09 179.24,-193.82 177.69,-195.37 177.69,-202.22 178.41,-202.94 179.91,-202.94 180.91,-203.94 186.09,-203.94 186.99,-204.84 186.99,-205.84 185.84,-206.99 JP1#5.2 185.69,-206.99
Board_7-Net-(U1-PD0): length 16.6
  Top w0.2: U1.8 174.37,-190.96 175.14,-190.19 175.14,-189.19 v1(175.24,-189.09) ; v1(174.99,-185.09) 175.11,-185.09 176.62,-183.57 176.62,-182.86 177.4,-182.09 178.11,-182.09 178.92,-181.27 178.92,-179.86 R2#7.2
  Bottom w0.2: v1(174.99,-185.09) 174.99,-188.84 v1(175.24,-189.09)
Board_7-VCC: length 64.3
  Top w0.2: R9#5.1 175.74,-202.74 v1(174.74,-202.74) ; R9#5.1 175.74,-203.04 J5#5.1 ; R9#5.1 177.49,-200 ; 172.78,-180.8 172.24,-181.34 172.24,-181.59 171.49,-182.34 171.49,-191.34 171.99,-191.84 ; 171.99,-191.84 172.22,-191.61 U1.9 ; 171.99,-191.84 171.99,-192.84 172.49,-193.34 v1(174.24,-193.34) ; R4#4.1 R6#4.1 169.58,-207.25 172.02,-204.81 J5#5.1 ; v1(175.49,-196.09) 175.49,-195.84 175.63,-195.7 C3.1 ; J5#5.1 175.36,-206.2 182.36,-206.2 183.41,-207.25 R7.1 R3#8.1
  Bottom w0.2: v1(174.24,-193.34) 174.24,-194.34 175.49,-195.59 v1(175.49,-196.09) 175.49,-201.99 v1(174.74,-202.74) ; D2#5.2 177.24,-178.34 176.47,-179.11 174.38,-179.11 J4#4.1

## Copper pours and planes (outline as drawn; the poured copper is in the pictures)
Board_0-GND on Bottom: 19.5,-65.63 75.75,-66.63 66,-142.88 23.75,-140.63
Board_0-VCC on Top: 22.5,-66.63 66.25,-66.88 65.25,-139.63 22.75,-139.63
Board_1-GND on Bottom: 63.42,-65.63 119.67,-66.63 109.92,-142.88 67.67,-140.63
Board_1-VCC on Top: 66.42,-66.63 110.17,-66.88 109.17,-139.63 66.67,-139.63
Board_2-GND on Bottom: 107.33,-65.63 163.58,-66.63 153.83,-142.88 111.58,-140.63
Board_2-VCC on Top: 110.33,-66.63 154.08,-66.88 153.08,-139.63 110.58,-139.63
Board_3-GND on Bottom: 151.24,-65.63 207.49,-66.63 197.74,-142.88 155.49,-140.63
Board_3-VCC on Top: 154.24,-66.63 197.99,-66.88 196.99,-139.63 154.49,-139.63
Board_4-GND on Bottom: 19.5,-139.09 75.75,-140.09 66,-216.34 23.75,-214.09
Board_4-VCC on Top: 22.5,-140.09 66.25,-140.34 65.25,-213.09 22.75,-213.09
